# Allegro board RK_EVB7_RK3588_LP4XD200P232SD8_V11_20230111YWQ.brd (continued)
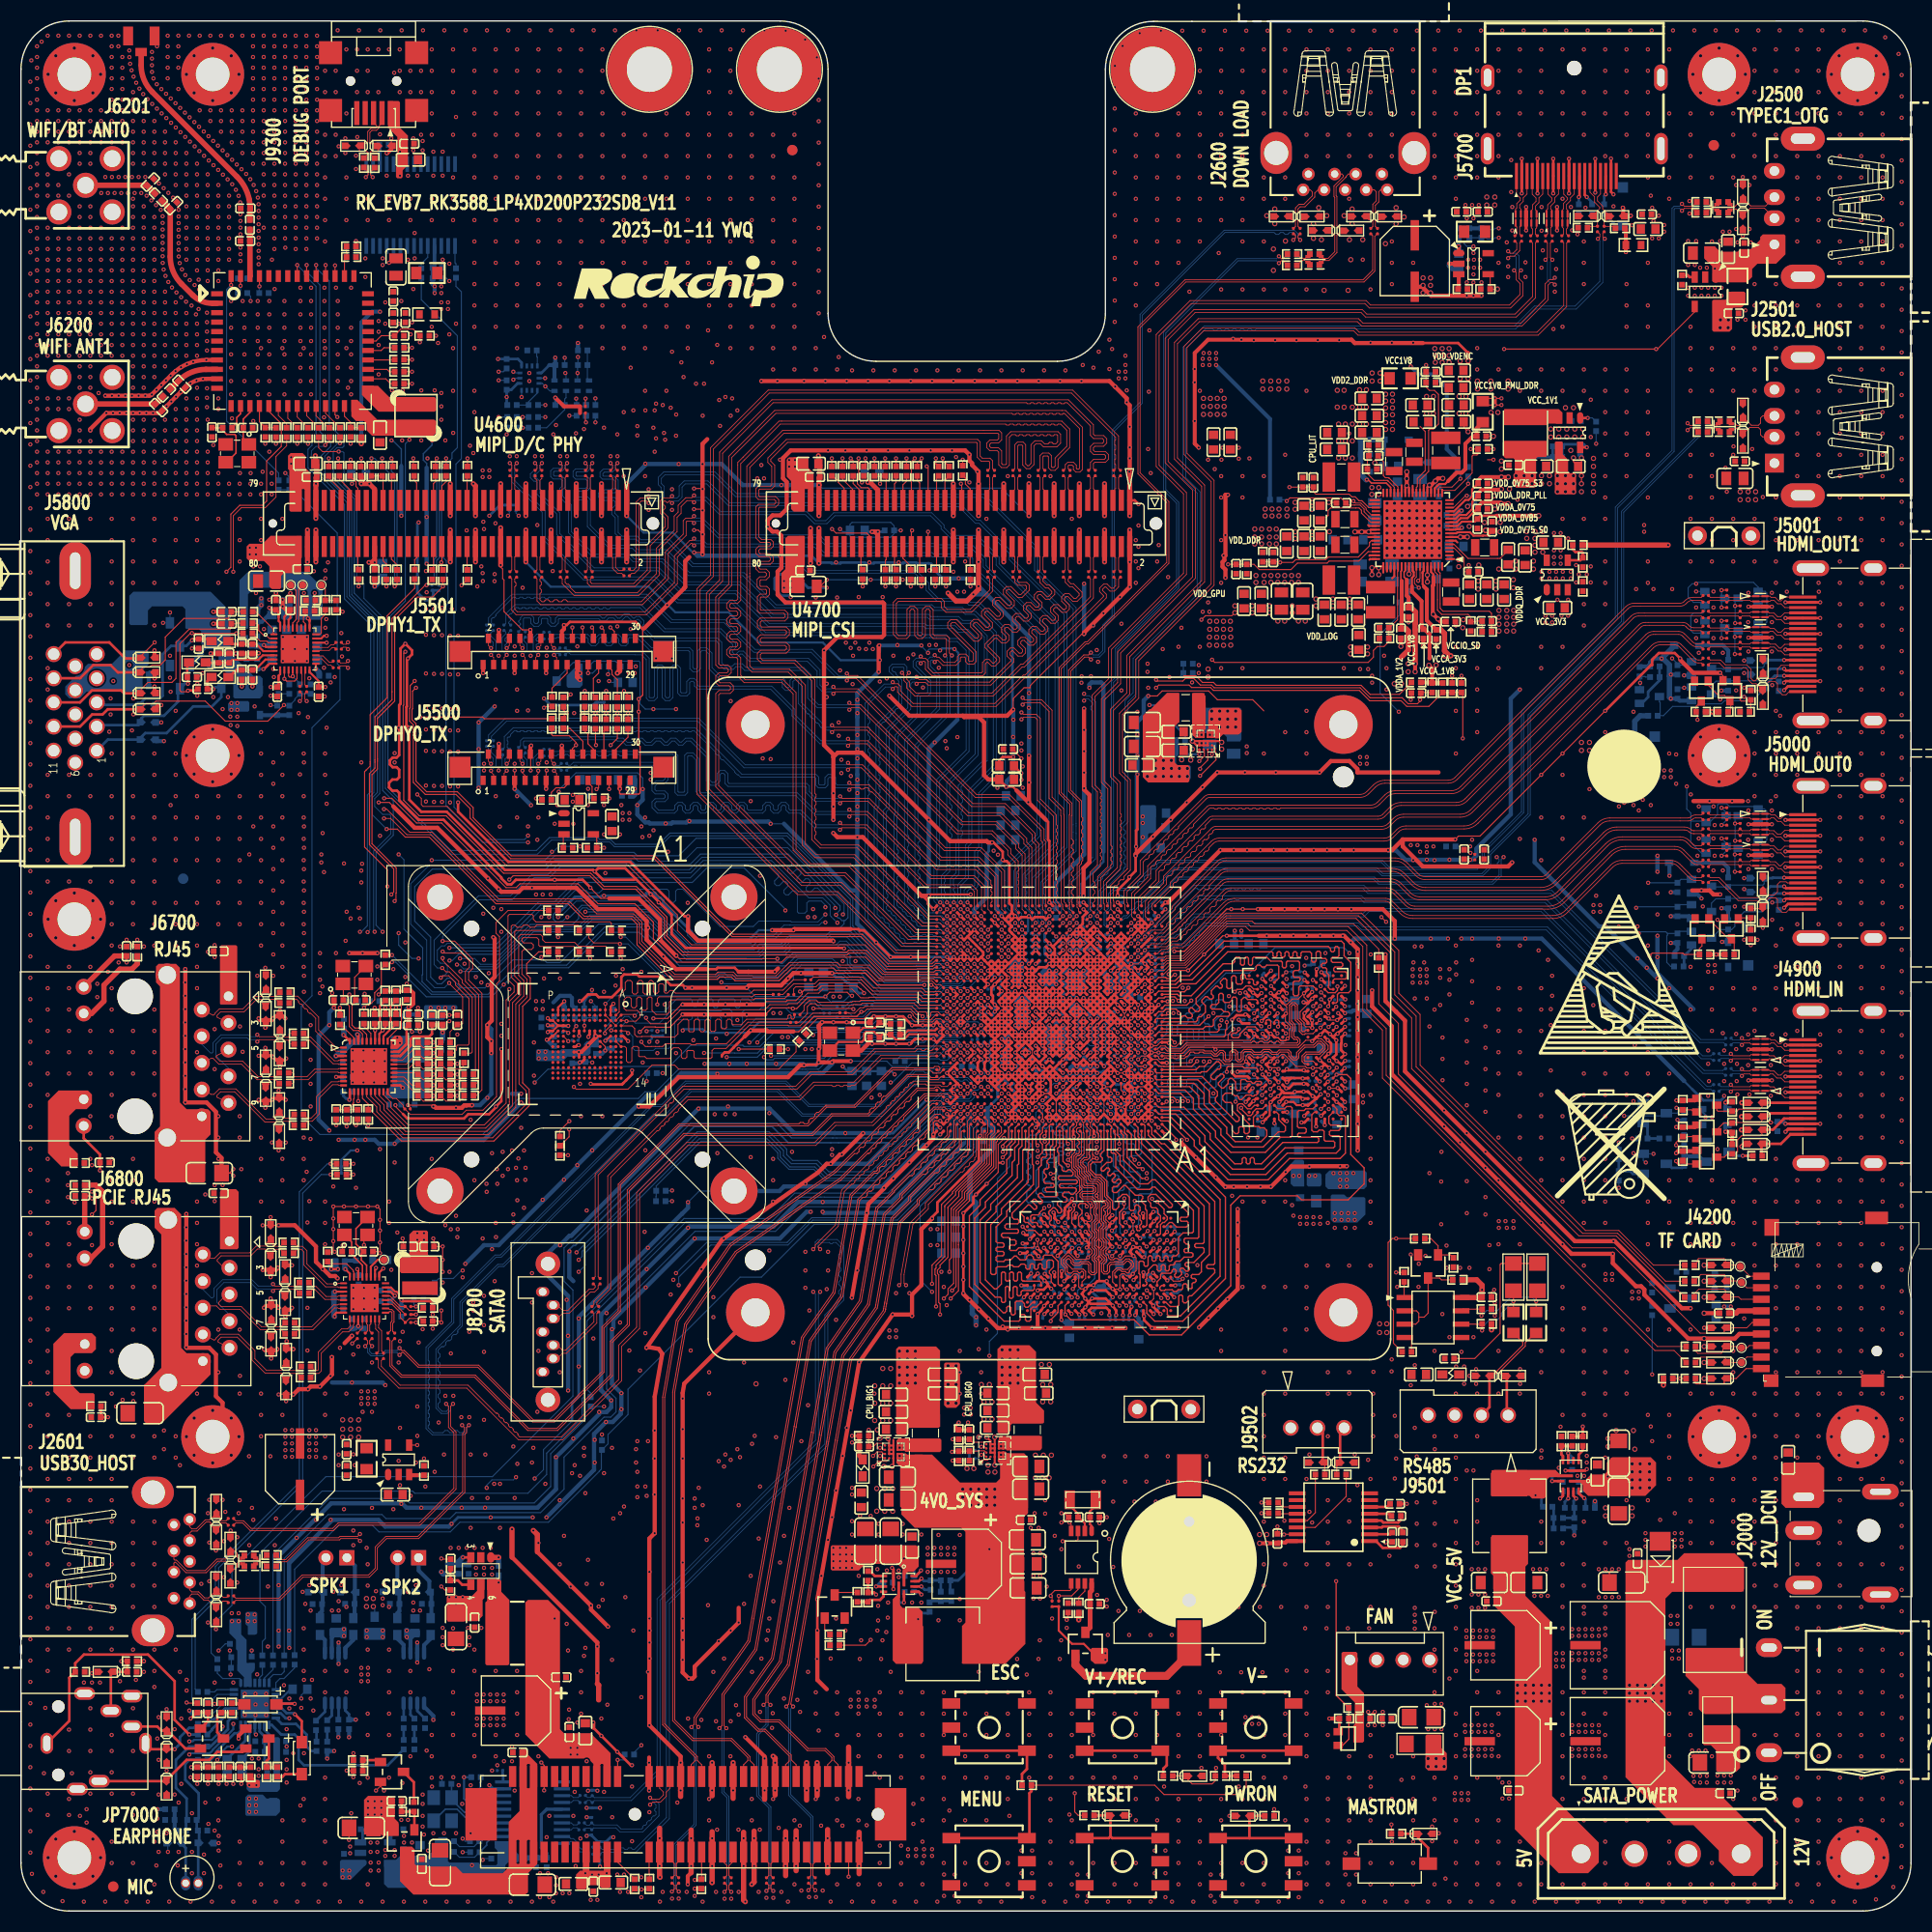
[diagram p0: board, top side]
## Routing (per net, layer and track width the routed paths; a pad name or vN(x,y) marks a point on that pad's centre or on a via; arc(x,y) is an arc through that point) (continued)
  BOTTOM w0.104: R1114.2 59.65,83.86 v1(59.58,83.79)
I2C1_SDA_M2: length 114.1
  TOP w0.089: U1000.V28 v1(90.79,85)
  TOP w0.104: U2303.B1 113.46,111.02 113.73,110.74 113.73,110.4 113.81,110.33 113.81,109.63 v1(112.29,108.12)
  L3-POWER1 w0.104: v1(60.6,83.79) 60.6,83.86 60.75,84 60.75,85.22 59.83,86.13 59.83,90.18 58.99,91.02 58.99,101.24 59.84,102.09 v1(59.84,102.4)
  L6-S2 w0.089: v1(90.79,85) 90.47,84.68 90.47,84.13 90.36,84.03 89.35,84.03 89.17,83.85 89.17,83.57 88.79,83.19 87.49,83.19 86.97,83.71 86.42,83.71
  L6-S2 w0.104: v1(60.6,83.79) 60.94,83.46 64.8,83.46 65.53,82.72 68.73,82.72 69.24,83.23 71.53,83.23 72.14,83.84 73.69,83.84 74.05,84.2 75.55,84.2 75.95,83.8 79.43,83.8 79.57,83.94 84.36,83.94 84.59,83.71 86.42,83.71 ; v1(59.84,102.4) 59.99,102.55 60.39,102.55 60.52,102.68 75.31,102.68 77.21,100.78 77.21,100.78 77.35,100.65 77.35,100.65 77.39,100.6 90.69,100.6 92.74,102.66 94.26,102.66 99,107.39 111.7,107.39 112.29,107.99 v1(112.29,108.12)
  BOTTOM w0.104: R1113.2 60.67,83.86 v1(60.6,83.79)
I2C2_SCL_M4_MIPI: length 155.5
  TOP w0.089: U1000.A25 93.07,74.24 92.5,73.67 92.5,73.48 92.43,73.41 92.43,72.84
  TOP w0.104: 92.43,72.84 92.43,71 89.86,68.43 89.86,67.85 88.82,66.81 88.82,59.78 88.29,59.25 88.29,58.74 v1(87.89,58.33) ; R4624.1 39.47,138.22 v1(39.6,138.34) ; v1(35.27,96.81) 35.5,97.05 35.5,99.24 33.19,101.56 33.19,108.32 33.71,108.85 33.71,109.42 33.71,109.61 33.71,113.74 35.33,115.36 35.33,116.12 35.33,116.12 35.33,123.1 38.51,126.28 v1(38.63,126.28) 39.17,126.81 R4625.2
  L3-POWER1 w0.104: v1(35.27,96.81) 35.2,96.81 35.2,94.84 38.67,91.37 38.67,91.01 38.67,87.2 38.54,87.07 38.54,84.05 38.61,83.99 38.61,83.67 38.61,83.48 38.33,83.2 38.33,74.72 37.14,73.54 37.14,66.99 38.28,65.85 40.42,65.85 40.92,65.35 40.92,64.93 v1(40.93,64.93)
  L6-S2 w0.104: v1(87.89,58.33) 87.15,59.08 87.15,60.06 83.25,63.95 74.66,63.95 71.03,60.32 63.95,60.32 62.64,61.64 60.6,61.64 60.13,62.11 59.81,62.11 57.36,64.56 41.75,64.56 41.75,64.56 41.3,64.56 v1(40.93,64.93)
  BOTTOM w0.104: v1(38.63,126.28) 38.64,126.27 R1903.2 39.34,126.48 39.34,128.71 39.6,128.97 v1(39.6,138.34)
I2C2_SDA_M4_MIPI: length 157.1
  TOP w0.104: R4622.1 v1(40.49,138.34) ; v1(88.54,58.33) 89.28,59.07 89.28,63.45 89.28,66.59 90.32,67.63 90.32,68.24 92.86,70.78 92.86,73.19 92.99,73.32 92.99,73.46 93.72,74.19 U1000.A24 ; v1(35.59,96.18) 35.71,96.31 35.71,96.93 35.73,96.96 35.73,99.33 33.43,101.64 33.43,108.24 33.95,108.75 33.95,109.52 33.95,109.71 33.95,109.71 33.95,113.59 35.59,115.23 35.59,122.98 37.74,125.14 39.19,125.14 40.18,126.13 v1(40.18,126.15) R4623.2
  L3-POWER1 w0.104: v1(41.59,64.94) 41.55,64.94 41.55,65.04 40.51,66.08 38.38,66.08 37.38,67.08 37.38,73.44 38.56,74.62 38.56,82.46 38.84,82.74 38.84,83.77 38.84,84.08 38.77,84.15 38.77,85.24 39.4,85.86 39.4,86.18 38.9,86.67 38.9,90.73 38.9,91.47 35.46,94.91 35.46,96.05 v1(35.59,96.18)
  L6-S2 w0.104: v1(88.54,58.33) 88.17,58.71 88.04,58.71 87.4,59.35 87.4,60.13 83.35,64.18 74.56,64.18 74.56,64.18 74.47,64.18 70.85,60.56 64.08,60.56 62.76,61.87 60.73,61.87 60.26,62.34 59.91,62.34 57.39,64.86 41.67,64.86 v1(41.59,64.94)
  BOTTOM w0.104: v1(40.49,138.34) 40.49,138.11 39.83,137.45 39.83,128.87 39.69,128.74 39.58,128.62 39.58,126.46 R1904.2 39.89,126.15 v1(40.18,126.15)
I2C3_SCL_M0_MIPI: length 188.8
  TOP w0.089: U1000.G27 v1(91.44,78.5)
  TOP w0.104: R4728.1 87.13,137.83 v1(87.13,138.34) ; R4729.2 v1(87.08,126.15)
  L3-POWER1 w0.104: v1(53.11,62.02) 53.36,62.27 53.36,62.92 52.17,64.11 52.17,71.26 51.64,71.79 51.64,72.17 51.69,72.22 51.69,82.62 51.66,82.65 51.66,84.95 52.71,86 52.71,86.02 52.73,86.04 52.73,87.31 53.09,87.67 53.09,94.85 53.06,94.88 53.06,100.37 52.73,100.7 52.73,101.64 53.31,102.22 53.31,106.39 52.86,106.85 52.86,110.07 52.3,110.63 52.3,112.24 50.93,113.6 50.93,115.97 52.32,117.36 52.32,121.22 51.26,122.28 51.26,123.56 48.26,126.56 48.26,127.66 47.63,128.29 47.63,128.67 47.85,128.9 47.85,131.12 47.63,131.34 47.63,132.65 v1(47.4,132.88) ; v1(87.08,126.15) 87.48,126.55 87.48,138.01 87.14,138.34 v1(87.13,138.34)
  L6-S2 w0.104: v1(47.4,132.88) 48.16,133.65 57.56,133.65 58.44,132.76 58.44,131.34 61.16,128.62 63.57,128.62 63.72,128.47 65.15,128.47 67.79,131.1 76.05,131.1 76.48,131.53 76.48,131.93 76.93,132.38 81.7,132.38 87.13,137.81 v1(87.13,138.34)
  BOTTOM w0.089: 86.42,75.39 87.02,76 87.02,76.32 87.87,77.17 87.87,77.34 88.06,77.53 88.33,77.53 88.51,77.34 88.63,77.34 88.63,77.34 90.28,77.34 90.47,77.53 90.47,77.99 90.66,78.18 91.12,78.18 v1(91.44,78.5)
  BOTTOM w0.104: v1(47.4,132.88) 47.14,133.14 R1507.2 ; 86.42,75.39 81.8,70.78 81.74,70.78 81.05,70.09 76.81,70.09 75.73,71.17 73.37,71.17 72.62,71.92 72.62,72.43 71.19,73.86 64.47,73.86 53.44,62.82 53.44,62.35 v1(53.11,62.02)
I2C3_SDA_M0_MIPI: length 189.8
  TOP w0.089: U1000.G29 v1(90.14,77.85)
  TOP w0.104: R4727.2 v1(88.09,126.15) ; v1(87.78,138.34) 87.78,138.19 R4726.1
  L3-POWER1 w0.104: v1(88.09,126.15) 87.78,126.46 87.78,138.09 v1(87.78,138.34) ; v1(46.38,132.88) 46.14,132.64 46.14,131.37 45.62,130.85 45.62,128.89 46.14,128.37 46.14,127.99 46.01,127.87 46.01,125.63 46.38,125.26 49.12,125.26 50.95,123.43 50.95,122.15 52.01,121.09 52.01,117.49 50.62,116.1 50.62,113.47 51.99,112.11 51.99,110.5 52.45,110.04 52.45,106.84 51.77,106.16 51.77,101.21 52.75,100.22 52.75,94.75 52.78,94.72 52.78,87.8 52.42,87.44 52.42,86.17 52.4,86.15 52.4,86.13 51.32,85.04 51.32,82.56 51.39,82.49 51.39,72.35 51.26,72.22 51.26,64.59 52.91,62.94 v1(52.91,62.73)
  L6-S2 w0.104: v1(46.38,132.88) 46.84,132.43 48.27,132.43 49.18,133.34 56.52,133.34 58.14,131.72 58.14,131.03 60.87,128.3 63.46,128.3 63.59,128.16 65.4,128.16 68.02,130.78 76.16,130.78 76.79,131.4 76.79,131.8 77.05,132.07 81.86,132.07 87.78,137.99 v1(87.78,138.34)
  BOTTOM w0.089: 86.42,75.76 86.83,76.18 86.83,76.4 87.68,77.25 87.68,77.42 87.98,77.72 88.41,77.72 88.59,77.54 88.7,77.54 88.71,77.53 89.82,77.53 v1(90.14,77.85)
  BOTTOM w0.104: v1(52.91,62.73) 64.39,74.21 71.27,74.21 72.92,72.56 72.92,72.05 73.49,71.48 75.86,71.48 76.94,70.4 80.92,70.4 86.27,75.74 86.39,75.74 86.42,75.76 ; v1(46.38,132.88) 46.51,133.01 R1506.2
I2C4_SCL_M1_SENSOR: length 97.2
  TOP w0.089: U1000.AB30 89.82,87.93 v1(90.14,87.6)
  TOP w0.104: v1(53.77,144.04) 53.74,144.02 R1920.2
  L3-POWER1 w0.104: v1(53.77,144.04) 53.77,142.39 54.25,141.9 54.25,139.87 53.11,138.72 53.11,136.24 53.26,136.09 53.26,135.77 52.98,135.5 52.98,133.39 53.37,133.01 53.37,131.49 53.26,131.38 53.26,131.37 53.04,131.15 53.03,131.15 52.98,131.1 52.98,128.95 53.37,128.56 53.37,128.06 53.24,127.93 53.24,126.41 53.75,125.9 54.38,125.9 57.27,123.01 57.27,117.42 58.19,116.5 58.19,111.98 56.64,110.43 56.64,105.23 56.54,105.12 56.54,98.01 56.89,97.65 56.89,93.79 56.29,93.19 56.29,89.43 56.64,89.07 v1(56.67,89.07)
  L6-S2 w0.089: 86.42,87.35 86.95,87.35 87.8,88.2 89.67,88.2 90.14,87.72 v1(90.14,87.6)
  L6-S2 w0.104: v1(56.67,89.07) 56.84,88.9 56.94,88.9 57.09,88.75 62.59,88.75 62.76,88.92 69.42,88.92 70.37,87.97 73.41,87.97 73.78,88.35 80.5,88.35 81.5,87.35 86.42,87.35
  BOTTOM w0.104: R4753.2 53.8,144 v1(53.77,144.04)
I2C4_SCL_SENSOR: length 6.9
  L3-POWER1 w0.104: v1(49.92,145.98) 50.41,146.47 v1(51.84,146.47) 52.88,145.44 v1(52.88,144.04)
  BOTTOM w0.104: CON9000.2 51.91,146.41 v1(51.84,146.47) ; U9000.13 v1(49.92,145.98) ; R9013.2 52.92,144 v1(52.88,144.04)
I2C4_SDA_M1_SENSOR: length 84.8
  TOP w0.089: v1(89.49,87.6) U1000.AB31
  TOP w0.104: R1921.2 53.74,141.83 v1(53.8,141.77)
  L3-POWER1 w0.089: 86.42,88.95 86.66,88.95 87.64,87.98 88.91,87.98 88.91,87.97 89.13,87.97 v1(89.49,87.6)
  L3-POWER1 w0.102: 86.42,88.95 86.3,88.95
  L3-POWER1 w0.104: v1(66.57,141.44) 67.46,140.55 67.46,121.58 71.91,117.13 71.91,102.66 72.42,102.15 72.42,96.43 73.56,95.29 73.56,93.95 73.94,93.57 73.94,93.34 76.72,90.56 76.98,90.56 76.98,90.56 77.24,90.56 77.71,90.56 78.07,90.92 78.45,90.92 78.71,90.65 78.71,90.44 79.27,89.89 84.33,89.89 85.27,88.95 86.3,88.95
  L6-S2 w0.104: v1(53.8,141.77) 54.17,141.77 54.55,141.39 54.86,141.39 55.31,141.84 60.79,141.84 60.86,141.91 64.21,141.91 64.6,141.52 66.5,141.52 66.57,141.44 v1(66.57,141.44)
  BOTTOM w0.104: R4752.2 v1(53.8,141.77)
I2C4_SDA_SENSOR: length 6.5
  L3-POWER1 w0.104: v1(49.94,145.2) 50.44,145.2 52.22,143.42 v1(52.22,142.41)
  BOTTOM w0.104: R9012.2 v1(52.22,142.41) ; U9000.14 49.66,145.48 v1(49.94,145.2) 50.37,144.77 CON9000.8
I2C5_SCL_M0_TP: length 60.7
  TOP w0.089: v1(94.04,92.8) U1000.AJ24
  TOP w0.104: R5515.1 v1(54.71,114.09) R5542.1
  L3-POWER1 w0.089: v1(94.04,92.8) 94.01,92.84 94.01,95.04 93.37,95.67 93.37,96.28
  L3-POWER1 w0.104: v1(88.16,110.73) 88.16,109.96 88.04,109.83 88.04,106.85 92.1,102.78 92.1,100.81 93.37,99.54 93.37,96.28
  L6-S2 w0.104: v1(88.16,110.73) 87.99,110.73 86.89,109.64 81.43,109.64 80.04,111.04 79.5,111.04 78.98,110.52 77.34,110.52 75.17,108.35 60.55,108.35 54.82,114.09 v1(54.71,114.09)
  BOTTOM w0.104: R1900.2 54.89,114.26 v1(54.71,114.09)
I2C5_SDA_M0_TP: length 62.2
  TOP w0.089: U1000.AH24 v1(94.04,92.15)
  TOP w0.104: R5543.2 v1(55.73,114.09) R5516.2
  L3-POWER1 w0.089: 93.06,96.28 93.06,95.65 93.75,94.96 93.75,92.97 93.72,92.94 93.72,92.48 v1(94.04,92.15)
  L3-POWER1 w0.104: 93.06,96.28 93.06,99.41 91.72,100.75 91.72,102.66 87.78,106.59 87.78,111.17 v1(88.04,111.42)
  L6-S2 w0.104: v1(88.04,111.42) 88.04,111.17 86.89,110.02 81.69,110.02 80.09,111.62 79.33,111.62 79.22,111.73 79.22,111.82 78.95,112.09 78.58,112.09 78.57,112.08 78.54,112.08 78.38,111.93 78.38,111.9 78.31,111.82 78.31,111.82 75.12,108.63 60.6,108.63 55.73,113.5 v1(55.73,114.09)
  BOTTOM w0.104: v1(55.73,114.09) 55.52,114.29 R1901.2
I2C6_SCL_M0: length 116
  TOP w0.089: U1000.W31 v1(88.84,85.65)
  TOP w0.104: R1131.2 v1(98.83,30.01) 100.06,30.01 100.67,30.62 U2400.6
  L3-POWER1 w0.104: v1(64.41,36.74) 64.41,36.74 64.16,36.74 61.84,39.06 61.84,49.21 62.02,49.39 62.02,57.15 63.25,58.38 63.25,60.9 62.45,61.69 62.45,72.61 63.8,73.95 67.59,73.95 69.88,76.24 69.88,81.96 69.37,82.46 v1(69.37,82.72)
  L6-S2 w0.104: v1(98.83,30.01) 98.2,29.38 94.39,29.38 90.83,32.93 85.75,32.93 84.08,34.61 79.43,34.61 78.03,36 73.28,36 72.16,37.12 64.8,37.12 64.41,36.74 v1(64.41,36.74)
  BOTTOM w0.089: v1(88.84,85.65) 88.52,85.33 86.47,85.33
  BOTTOM w0.104: v1(69.37,82.72) 69.49,82.72 70.93,84.15 80.83,84.15 81.43,84.75 85.89,84.75 86.47,85.33
I2C6_SDA_M0: length 113.5
  TOP w0.089: U1000.V31 v1(88.84,85)
  TOP w0.104: R1130.2 98.2,29.89 v1(98.07,30.01) 98.07,30.14 98.45,30.52 99.91,30.52 100.02,30.62 U2400.5
  L3-POWER1 w0.104: v1(64.43,37.39) 64.02,37.39 62.07,39.34 62.07,49.12 62.25,49.29 62.25,57.06 63.34,58.15 63.48,58.29 63.48,61.05 62.68,61.84 62.68,72.51 63.87,73.7 67.84,73.7 70.16,76.02 70.16,82.56 70.13,82.59 v1(70.13,82.72)
  L6-S2 w0.104: v1(98.07,30.01) 97.94,30.14 94.01,30.14 90.96,33.19 85.88,33.19 84.23,34.84 79.53,34.84 78.13,36.24 73.49,36.24 72.22,37.51 64.55,37.51 v1(64.43,37.39)
  BOTTOM w0.089: 86.2,84.11 86.2,84.39 86.68,84.87 87.87,84.87 88.06,84.68 88.52,84.68 v1(88.84,85)
  BOTTOM w0.104: 86.2,84.11 86.11,84.02 85.4,84.02 85.3,83.92 71.33,83.92 v1(70.13,82.72)
I2C7_SCL_M0_CODEC: length 126.3
  TOP w0.089: U1000.F26 v1(92.09,77.85)
  TOP w0.104: R4653.2 v1(29.49,70.14)
  L6-S2 w0.089: 86.42,74.92 87.08,75.58 88.98,75.58 89.17,75.77 89.17,76.04 89.36,76.23 90.28,76.23 90.47,76.42 90.47,76.69 90.66,76.88 90.96,76.88 91.15,77.07 91.31,77.07 v1(92.09,77.85)
  L6-S2 w0.104: 86.42,74.92 81.6,70.1 76.4,70.1 72.33,74.16 53.13,74.16 52.19,73.22 37.06,73.22 35.93,72.09 35.37,72.09 33.93,70.65 30.01,70.65 v1(29.49,70.14)
  BOTTOM w0.104: R1502.2 29.62,70.27 v1(29.49,70.14) 28.6,70.14 26.82,68.37 26.82,40.68 18.82,32.68 18.82,29.89 16.59,27.65 16.59,21.13 R7007.1
I2C7_SDA_M0_CODEC: length 127.4
  TOP w0.089: U1000.F27 v1(91.44,77.85)
  TOP w0.104: R4654.2 v1(29.49,71.16)
  L6-S2 w0.089: v1(91.44,77.85) 91.44,77.63 90.88,77.07 89.55,77.07 89.17,76.69 89.17,76.42 88.98,76.23 87.29,76.23 86.42,75.35
  L6-S2 w0.104: 86.42,75.35 81.47,70.41 76.52,70.41 72.46,74.47 53.01,74.47 52.06,73.52 36.93,73.52 35.84,72.43 35.15,72.43 34.39,71.67 30,71.67 v1(29.49,71.16)
  BOTTOM w0.104: R1501.2 29.74,70.91 v1(29.49,71.16) 29.18,71.16 26.51,68.5 26.51,40.81 18.51,32.81 18.51,30.01 16.28,27.78 16.28,20.11 16.54,19.85 R7008.1
I2C_ADDR_CE: length 3.1
  BOTTOM w0.104: U7000.26 19.64,20.18 18.3,18.84 R7009.1
I2C_SCL_TP: length 3.4
  TOP w0.104: J5501.23 55.01,117.9 54.51,117.39 54.51,115.78 R5542.2
I2C_SDA_TP: length 8.3
  TOP w0.104: J5501.24 55.51,122.01 55.3,122.22 v1(55.3,122.24) ; R5543.1 v1(55.73,116.19)
  L3-POWER1 w0.104: v1(55.73,116.19) 55.65,116.27 55.52,116.4 55.52,117.51 55.45,117.59 55.45,117.97 55.91,118.43 55.91,121.63 v1(55.3,122.24)
I2S0_LRCK_TX: length 101.9
  TOP w0.089: U1000.D30 v1(89.49,75.9)
  BOTTOM w0.089: 89.49,73.47 89.49,74.78 89.18,75.1 89.18,75.11 89.17,75.12 89.17,75.39 89.49,75.71 v1(89.49,75.9)
  BOTTOM w0.104: R7005.1 25.07,33.58 29.25,37.76 34.37,37.76 34.76,37.38 40.86,37.38 41.43,37.95 49.49,37.95 51.71,40.17 51.71,43.22 55.52,47.03 56.16,47.03 56.67,47.54 56.67,48.82 55.78,49.71 55.78,56.32 64.19,64.73 71.85,64.73 74.19,67.07 83.11,67.07 89.49,73.45 89.49,73.47
I2S0_MCLK: length 109.1
  TOP w0.089: U1000.F30 v1(89.49,77.85)
  BOTTOM w0.089: v1(89.49,77.85) 89.17,78.18 87.81,78.18 86.51,76.88
  BOTTOM w0.104: R7002.1 18.11,24.57 18.11,27.14 20.09,29.11 20.09,32.43 29.03,41.37 44.9,41.37 52.56,49.04 52.56,59.14 51.71,59.98 51.71,63.14 52.42,63.84 52.6,63.84 63.8,75.05 71.96,75.05 73.38,73.63 77.3,73.63 77.31,73.62 80.01,73.62 80.01,73.62 80.39,73.62 80.39,73.62 83.25,73.62 86.51,76.88
I2S0_SCLK_TX: length 103.7
  TOP w0.089: U1000.E31 v1(88.84,76.55)
  BOTTOM w0.089: 88.21,73.47 88.54,73.8 88.54,75.4 88.37,75.58 87.94,75.58 87.78,75.73 87.78,76.11 88.1,76.43 88.53,76.43 88.65,76.55 v1(88.84,76.55)
  BOTTOM w0.104: R7003.1 22.99,25.67 23.27,25.95 23.27,29 22.76,29.5 22.76,34.08 28.68,39.99 37.3,39.99 37.5,39.79 48.29,39.79 50.06,41.57 50.06,43.6 53.44,46.98 53.44,48.81 53.59,48.96 53.59,56.4 63.14,65.95 71.27,65.95 73.69,68.37 82.58,68.37 87.02,72.81 87.55,72.81 88.21,73.47
I2S0_SDI0: length 96.9
  TOP w0.089: U1000.D28 v1(90.79,75.9)
  BOTTOM w0.089: v1(90.79,75.9) 90.79,75.71 90.47,75.39 90.47,74.83 90.74,74.56 90.74,73.47
  BOTTOM w0.104: R7006.1 26.06,32.55 30.25,36.74 33.46,36.74 34.09,36.11 40.89,36.11 41.81,37.03 50.23,37.03 55.07,41.86 55.07,41.89 55.27,42.09 55.27,43.86 R1534.1 55.91,44.49 55.91,45.38 57.81,47.28 57.81,49.69 68.49,60.37 70.51,60.37 75.55,65.41 83.5,65.41 90.74,72.65 90.74,72.74 90.74,73.47
I2S0_SDO0: length 103.7
  TOP w0.089: U1000.E29 v1(90.14,76.55)
  BOTTOM w0.089: v1(90.14,76.55) 89.82,76.23 88.66,76.23 88.52,76.09 88.52,75.77 88.79,75.5 88.79,73.61 88.64,73.47
  BOTTOM w0.104: 88.64,73.47 87.61,72.43 87.07,72.43 82.63,67.99 76.54,67.99 76.54,67.99 76.16,67.99 76.16,67.99 73.81,67.99 71.47,65.65 63.34,65.65 53.9,56.2 53.9,49.67 54.25,49.32 R1535.1 54.01,48.95 53.75,48.68 53.75,46.85 50.44,43.55 50.44,40.43 48.88,38.86 37.01,38.86 36.59,39.28 29.35,39.28 24,33.94 R7004.1
I2S2_LRCK_M0_BT: length 100.5
  TOP w0.089: 80.71,91.31 82.32,89.7 86.83,89.7 87.01,89.88 U1000.AE34
  TOP w0.104: v1(36.6,119.93) 36.45,119.78 36.45,114.85 36.39,114.79 36.39,112.82 36.45,112.76 36.45,105.78 37.92,104.31 40.49,104.31 45.96,98.84 54.26,98.84 55.52,97.58 58.6,97.58 61.51,94.66 61.51,92.86 63.06,91.31 78.64,91.31 78.81,91.48 80.54,91.48 80.71,91.31 ; R6219.1 v1(37.24,145.46)
  L3-POWER1 w0.104: v1(36.6,119.93) 37.36,120.69 37.36,131.47 36.96,131.87 36.96,134.15 38.08,135.27 38.08,139.05 37.49,139.64 37.49,145.2 v1(37.24,145.46)
I2S2_SCLK_M0_BT: length 106.7
  TOP w0.089: U1000.AD34 82.03,89.23 80.42,90.85 78.89,90.85
  TOP w0.104: v1(34.58,105.97) 35.32,105.97 37.67,103.62 40.04,103.62 46.19,97.47 47.16,97.47 47.52,97.83 53.05,97.83 54.95,95.93 58.48,95.93 60.22,94.18 60.22,92.59 62.45,90.36 72.44,90.36 72.92,90.85 78.89,90.85 ; R6222.1 v1(37.24,148.88)
  L3-POWER1 w0.104: v1(37.24,148.88) 36.86,148.51 36.86,147.87 35.71,146.73 35.71,141.9 33.78,139.97 33.78,138.09 34.06,137.81 34.06,111.78 34.72,111.12 34.72,106.11 34.58,105.97 v1(34.58,105.97)
I2S2_SDI_M0_BT: length 124.5
  TOP w0.089: v1(89.49,89.55) 89.82,89.23 U1000.AD30
  TOP w0.104: R6221.1 v1(37.24,147.74)
  L3-POWER1 w0.104: v1(30.92,92.4) 30.56,92.76 30.56,98.9 32.16,100.5 32.16,102.18 34.41,104.43 34.6,104.43 34.96,104.8 34.96,111.21 34.29,111.88 34.29,137.91 34.01,138.19 34.01,139.87 35.97,141.83 35.97,146.47 v1(37.24,147.74)
  L6-S2 w0.089: 86.42,89.7 86.51,89.7 86.99,89.23 89.17,89.23 v1(89.49,89.55)
  L6-S2 w0.104: v1(30.92,92.4) 30.92,92.21 32.66,90.46 34.06,90.46 35.2,89.32 36.1,89.32 36.11,89.33 37.1,89.33 39.11,87.32 41.84,87.32 42.82,88.31 42.82,89.07 43.95,90.19 57.35,90.19 57.45,90.09 59.46,90.09 60.1,89.44 62.3,89.44 62.48,89.62 70.47,89.62 71.42,88.67 72.27,88.67 73.3,89.7 77.5,89.7 77.75,89.45 79.4,89.45 79.65,89.7 86.42,89.7
I2S2_SDO_M0_BT: length 99
  TOP w0.089: 80.16,92.62 82.58,90.21 86.77,90.21 87.08,90.53 U1000.AF34
  TOP w0.104: v1(37.49,117.14) 37.49,117.14 37.49,117.13 37.06,116.71 37.06,114.59 37.01,114.54 37.01,113.32 37.36,112.97 37.36,107.48 38.51,106.34 41.43,106.34 42.77,104.99 42.77,104.09 46.64,100.22 60.3,100.22 67.72,92.8 79.99,92.8 80.16,92.62 ; R6220.1 v1(37.24,146.6)
  L3-POWER1 w0.104: v1(37.24,146.6) 37.74,146.09 37.74,139.74 38.33,139.15 38.33,135.19 37.2,134.06 37.2,131.96 37.62,131.54 37.62,117.27 v1(37.49,117.14)
INP_PHONE_MIC: length 14.6
  TOP w0.254: v1(14.63,15.41) ED7004.1 12.41,15.41 JP7000.4 ; R7011.2 R7012.2 v1(18.82,12.11)
  L6-S2 w0.381: v1(18.82,12.11) 18.82,13.12 16.41,15.53 14.76,15.53 v1(14.63,15.41)
  BOTTOM w0.254: C7007.2 16.47,17.44 16.02,17.44 15.14,16.56 15.14,15.92 v1(14.63,15.41)
IRC_AIN: length 158.7
  TOP w0.089: v1(89.49,93.45) U1000.AK30
  TOP w0.104: v1(30.2,138.34) 30.2,138.22 30.33,138.09 R4640.1 ; R4738.1 v1(78.24,138.34)
  L3-POWER1 w0.104: v1(30.2,138.34) 30.48,138.06 30.48,126.94 32.05,125.37 32.05,109.89 31.8,109.64 31.8,109.13 31.9,109.03 31.9,105.45 30,103.55 30,101.26 v1(28.6,99.86)
  L6-S2 w0.089: v1(89.49,93.45) 89.17,93.78 87.67,93.78
  L6-S2 w0.104: v1(28.6,99.86) 30.07,98.4 33.41,98.4 34.11,99.1 44.73,99.1 48.72,95.11 52.4,95.11 52.98,94.53 60.73,94.53 62.35,92.91 63.49,92.91 64.02,92.39 65.7,92.39 66.07,92.76 75.45,92.76 76.09,93.39 76.61,93.39 76.88,93.66 87.55,93.66 87.67,93.78 ; v1(78.24,138.34) 77.86,138.72 77.11,138.72 77.11,138.73 76.48,138.73 75.84,139.36 65.68,139.36 65.66,139.38 60.81,139.38 60.6,139.59 58.75,139.59 58.34,139.99 48.41,139.99 47.02,141.39 42.48,141.39 40.76,139.67 34.53,139.67 33.96,139.11 30.96,139.11 v1(30.2,138.34)
IRC_BIN: length 158.6
  TOP w0.089: v1(89.49,94.1) U1000.AL30
  TOP w0.104: R4739.1 v1(77.22,138.34) ; R4641.1 v1(29.31,138.34)
  L3-POWER1 w0.104: v1(28.6,100.62) 29.62,101.64 29.62,103.55 31.57,105.5 31.57,117.82 31.82,118.07 31.82,125.22 30.25,126.79 30.25,137.4 v1(29.31,138.34)
  L6-S2 w0.089: 89.17,96.28 89.17,94.43 v1(89.49,94.1)
  L6-S2 w0.102: 89.17,96.28 89.17,96.32 89.05,96.43
  L6-S2 w0.104: v1(28.6,100.62) 30.6,98.63 33.2,98.63 33.93,99.35 53.75,99.35 54.64,98.47 56.54,98.47 57.22,99.15 75.08,99.15 76.53,97.7 87.79,97.7 89.05,96.43 ; v1(77.22,138.34) 77.1,138.22 75.66,138.22 74.75,139.13 65.55,139.13 65.53,139.15 60.71,139.15 60.51,139.36 58.65,139.36 58.27,139.74 48.34,139.74 46.94,141.14 42.55,141.14 40.85,139.44 34.63,139.44 34.04,138.85 31.39,138.85 30.51,137.96 29.69,137.96 v1(29.31,138.34)
ISOLATEB: length 2.5
  TOP w0.104: R6808.1 35.23,58.18 U6800.20
LANWAKEB: length 4.3
  TOP w0.104: R6811.1 38.06,57.19 36.99,57.19 R6806.1 36.13,57.57 35.12,58.58 U6800.21
LCD0_BL_PWM14_M0: length 3.7
  TOP w0.104: R5540.2 50.57,116.46 52.01,117.9 J5501.17
LCD_BL_EN_H: length 59.8
  TOP w0.089: v1(88.19,89.55) U1000.AD32
  TOP w0.104: R5541.2 53.7,114.29 v1(53.49,114.09) 53.7,113.88 R5514.2
  L3-POWER1 w0.104: v1(53.49,114.09) 53.62,114.09 54.33,113.38 54.33,107.09 54.39,107.03 54.39,105.08 54,104.69 54,101.01 53.68,100.69 53.68,95.23 v1(53.75,95.16)
  BOTTOM w0.089: 86.42,89.44 87.52,89.44 87.63,89.55 v1(88.19,89.55)
  BOTTOM w0.104: v1(53.75,95.16) 53.75,95.16 59.82,95.16 63.66,91.32 70.1,91.32 70.63,91.85 72.48,91.85 73.3,92.67 76.78,92.67 77.11,93 78.84,93 82.47,89.37 85.45,89.37 85.52,89.44 86.42,89.44
LCD_BL_PWM1: length 84.6
  TOP w0.089: v1(88.84,84.35) U1000.T31
  TOP w0.104: v1(49.81,114.59) 49.93,114.71 R5540.1 ; v1(49.05,105.96) 49.17,105.83 R5510.1
  L3-POWER1 w0.104: v1(49.81,114.59) 49.81,114.09 50.08,113.81 50.08,113.25 50.85,112.49 50.85,110.79 51.84,109.79 51.84,107.33 51.48,106.97 51.05,106.97 50.29,106.21 49.3,106.21 v1(49.05,105.96) 49.05,104.82 47.79,103.56 47.79,98.79 47.81,98.77 47.81,98.45 47.81,98.45 47.81,97.69 47.3,97.18 47.3,91.81 47.66,91.46 47.66,88.49 47.94,88.21 47.94,85.55 47.94,79.89 48.92,78.91 v1(48.92,78.91)
  BOTTOM w0.089: v1(88.84,84.35) 88.52,84.03 86.75,84.03 86.51,83.79
  BOTTOM w0.104: 86.51,83.79 86.43,83.79 86.28,83.63 85.57,83.63 85.4,83.46 80.29,83.46 79.77,82.94 73.87,82.94 73.21,83.6 71.65,83.6 70.39,82.34 68.86,82.34 68.73,82.46 63.78,82.46 61.75,80.43 55.52,80.43 55.27,80.18 50.19,80.18 v1(48.92,78.91)
LCD_PWREN_H: length 69
  TOP w0.089: v1(84.63,85.2) 84.63,85.2 85.15,84.68 86.8,84.68 87.09,84.97 87.57,84.97 U1000.U33
  TOP w0.104: R5512.2 51.66,113.78 v1(51.97,114.09) 51.66,114.39 R5554.2 ; U2306.4 54.83,102.23 R2324.1 v1(55.52,101.26)
  L3-POWER1 w0.104: v1(55.52,87.54) 55.52,87.67 55.82,87.97 55.82,93.63 56.29,94.09 56.29,97.32 56.03,97.58 56.03,100.75 v1(55.52,101.26) 56.03,101.77 56.03,105.32 55.9,105.45 55.9,105.48 55.68,105.7 55.65,105.7 55.19,106.16 55.19,113.02 53.62,114.59 52.48,114.59 v1(51.97,114.09)
  L6-S2 w0.104: v1(84.63,85.2) 84.18,84.75 79.18,84.75 78.91,85.02 72.86,85.02 72.37,84.54 68.64,84.54 68.48,84.37 67.56,84.37 66.7,85.23 66.7,85.25 65.16,86.79 56.27,86.79 v1(55.52,87.54)
LCD_RESET: length 3.6
  TOP w0.104: J5500.20 53.51,111.4 52.27,112.65 R5512.1
LED0: length 2.5
  TOP w0.203: U6800.27 33.32,61.37 33.96,62.02 TP6800.1
LED1/GPO: length 35.1
  TOP w0.203: U6800.26 33.72,61.04 33.81,61.13 v1(33.81,61.25)
  TOP w0.254: C6819.1 6.5,68.11 v1(6.76,67.86)
  TOP w0.508: C6819.1 6.07,68.11 J6800.11
  L6-S2 w0.254: v1(6.76,67.86) 7.9,67.86 8.15,68.11 13.87,68.11 14.88,67.1 23.77,67.1 28.85,62.02 32.82,62.02 33.58,61.25 v1(33.81,61.25)
LED2/LED1: length 36.5
  TOP w0.203: U6800.25 34.12,60.8 v1(34.51,61.19)
  TOP w0.254: v1(8.28,47.03) 7.64,47.03 7.61,47.06 ; 7.61,47.06 R6821.1 ; 7.61,47.06 C6818.1
  L6-S2 w0.254: v1(8.28,47.03) 9.56,47.03 10.61,48.08 16.28,48.08 21.87,53.67 21.87,55.42 28.09,61.64 32.66,61.64 33.5,60.8 34.12,60.8 v1(34.51,61.19)
LOUT1: length 5
  TOP w0.254: C7021.1 26.74,18.08 v1(26.09,18.73)
  BOTTOM w0.254: U7000.12 24.86,19.28 25.29,18.84 25.93,18.84 26.06,18.71 26.06,18.73 v1(26.09,18.73)
LOUT2: length 16.2
  BOTTOM w0.254: U7000.15 23.87,17.73 24.79,16.8 26.06,16.8 26.44,16.42 26.44,14.39 26.95,13.88 34.94,13.88 R7031.1
MAC1_MCLKINOUT: length 65.1
  TOP w0.089: U1000.AE29 v1(90.14,90.2)
  TOP w0.104: R1519.1 v1(35.33,91.04)
  BOTTOM w0.089: v1(90.14,90.2) 89.82,89.88 89.82,89.42 89.63,89.23 89.36,89.23 89.17,89.04 89.17,88.77 88.9,88.5 87.58,88.5 86.9,87.82 86.42,87.82
  BOTTOM w0.104: 86.42,87.82 81.89,87.82 80.01,89.7 79.2,89.7 78.71,90.19 78.71,90.65 78.36,91.01 73.86,91.01 72.87,90.01 62.71,90.01 59,93.72 55.61,93.72 51.97,90.08 47.27,90.08 44.49,87.3 39.08,87.3 35.34,91.04 v1(35.33,91.04)
MAC1_MDIO: length 43.3
  TOP w0.089: v1(89.49,86.3) U1000.Y30
  TOP w0.104: R1520.1 v1(51.15,90.78)
  L3-POWER1 w0.104: v1(51.33,88.81) 51.15,89 v1(51.15,90.78)
  L6-S2 w0.089: 86.42,86.43 87.47,86.43 87.68,86.63 89.17,86.63 v1(89.49,86.3)
  L6-S2 w0.104: 86.42,86.43 80.55,86.43 80.36,86.61 76.44,86.61 76.27,86.78 74.97,86.78 74.83,86.64 70.06,86.64 69.3,85.88 66.52,85.88 65.23,87.16 56.34,87.16 55.98,87.52 55.98,87.73 55.71,88 55.45,88 54.64,88.81 v1(51.33,88.81)
MAC1_TXCLK: length 47.1
  TOP w0.086: R1514.1 v1(51.15,94.66)
  TOP w0.089: v1(90.79,89.55) U1000.AD28
  L3-POWER1 w0.079: v1(76.61,94.15) 76.64,94.15 77.43,93.36 78.24,93.36 79.33,94.44 84.44,94.44 87.7,91.18 88.32,91.18 88.52,90.99 88.52,90.78 88.52,90.78 88.52,90.72 88.71,90.53 88.77,90.53 88.77,90.53 88.98,90.53 89.17,90.34 89.17,90.07 89.36,89.88 89.38,89.88 89.39,89.88 90.28,89.88 90.6,89.55 v1(90.79,89.55)
  BOTTOM w0.086: v1(51.15,94.66) 51.36,94.66 52.88,96.18 59.96,96.18 60.54,95.6 60.98,95.6 63.48,93.1 63.48,92.92 64.26,92.14 64.63,92.14 65.28,92.14 65.31,92.17 69.52,92.17 70.22,92.88 71.65,92.88 72.67,93.89 73.24,93.89 76.02,93.89 76.28,94.15 v1(76.61,94.15)
MAC1_TXD0: length 42.6
  TOP w0.086: v1(57.05,92.1) 57.05,92.1 57.05,92.2 54.55,92.2 54.07,92.68 R1515.1
  TOP w0.089: U1000.AC28 v1(90.79,88.9)
  BOTTOM w0.086: v1(57.05,92.1) 57.83,92.1 61.16,88.76 66.26,88.76 66.51,89.02 66.89,89.02 67.14,88.76 69.49,88.76 69.62,88.63 72.16,88.63 72.8,89.27 73,89.27 74.12,90.39 77.14,90.39 77.98,89.55 78.38,89.55 78.94,88.99 79.78,88.99 81.57,87.2 86.93,87.2 87.85,88.12 89.55,88.12 90.01,88.58 90.47,88.58 v1(90.79,88.9)
